# Altium PCB 2025-565-V1.PcbDoc (part 2 of 2)
Units mm, origin at the board's own origin, x right, y up, seen from the top; angles counter-clockwise.
Board outline 100 x 80 mm, 2 copper layers (Top Layer, Bottom Layer); 155 components, 101 nets, 492 pads, 335 vias.
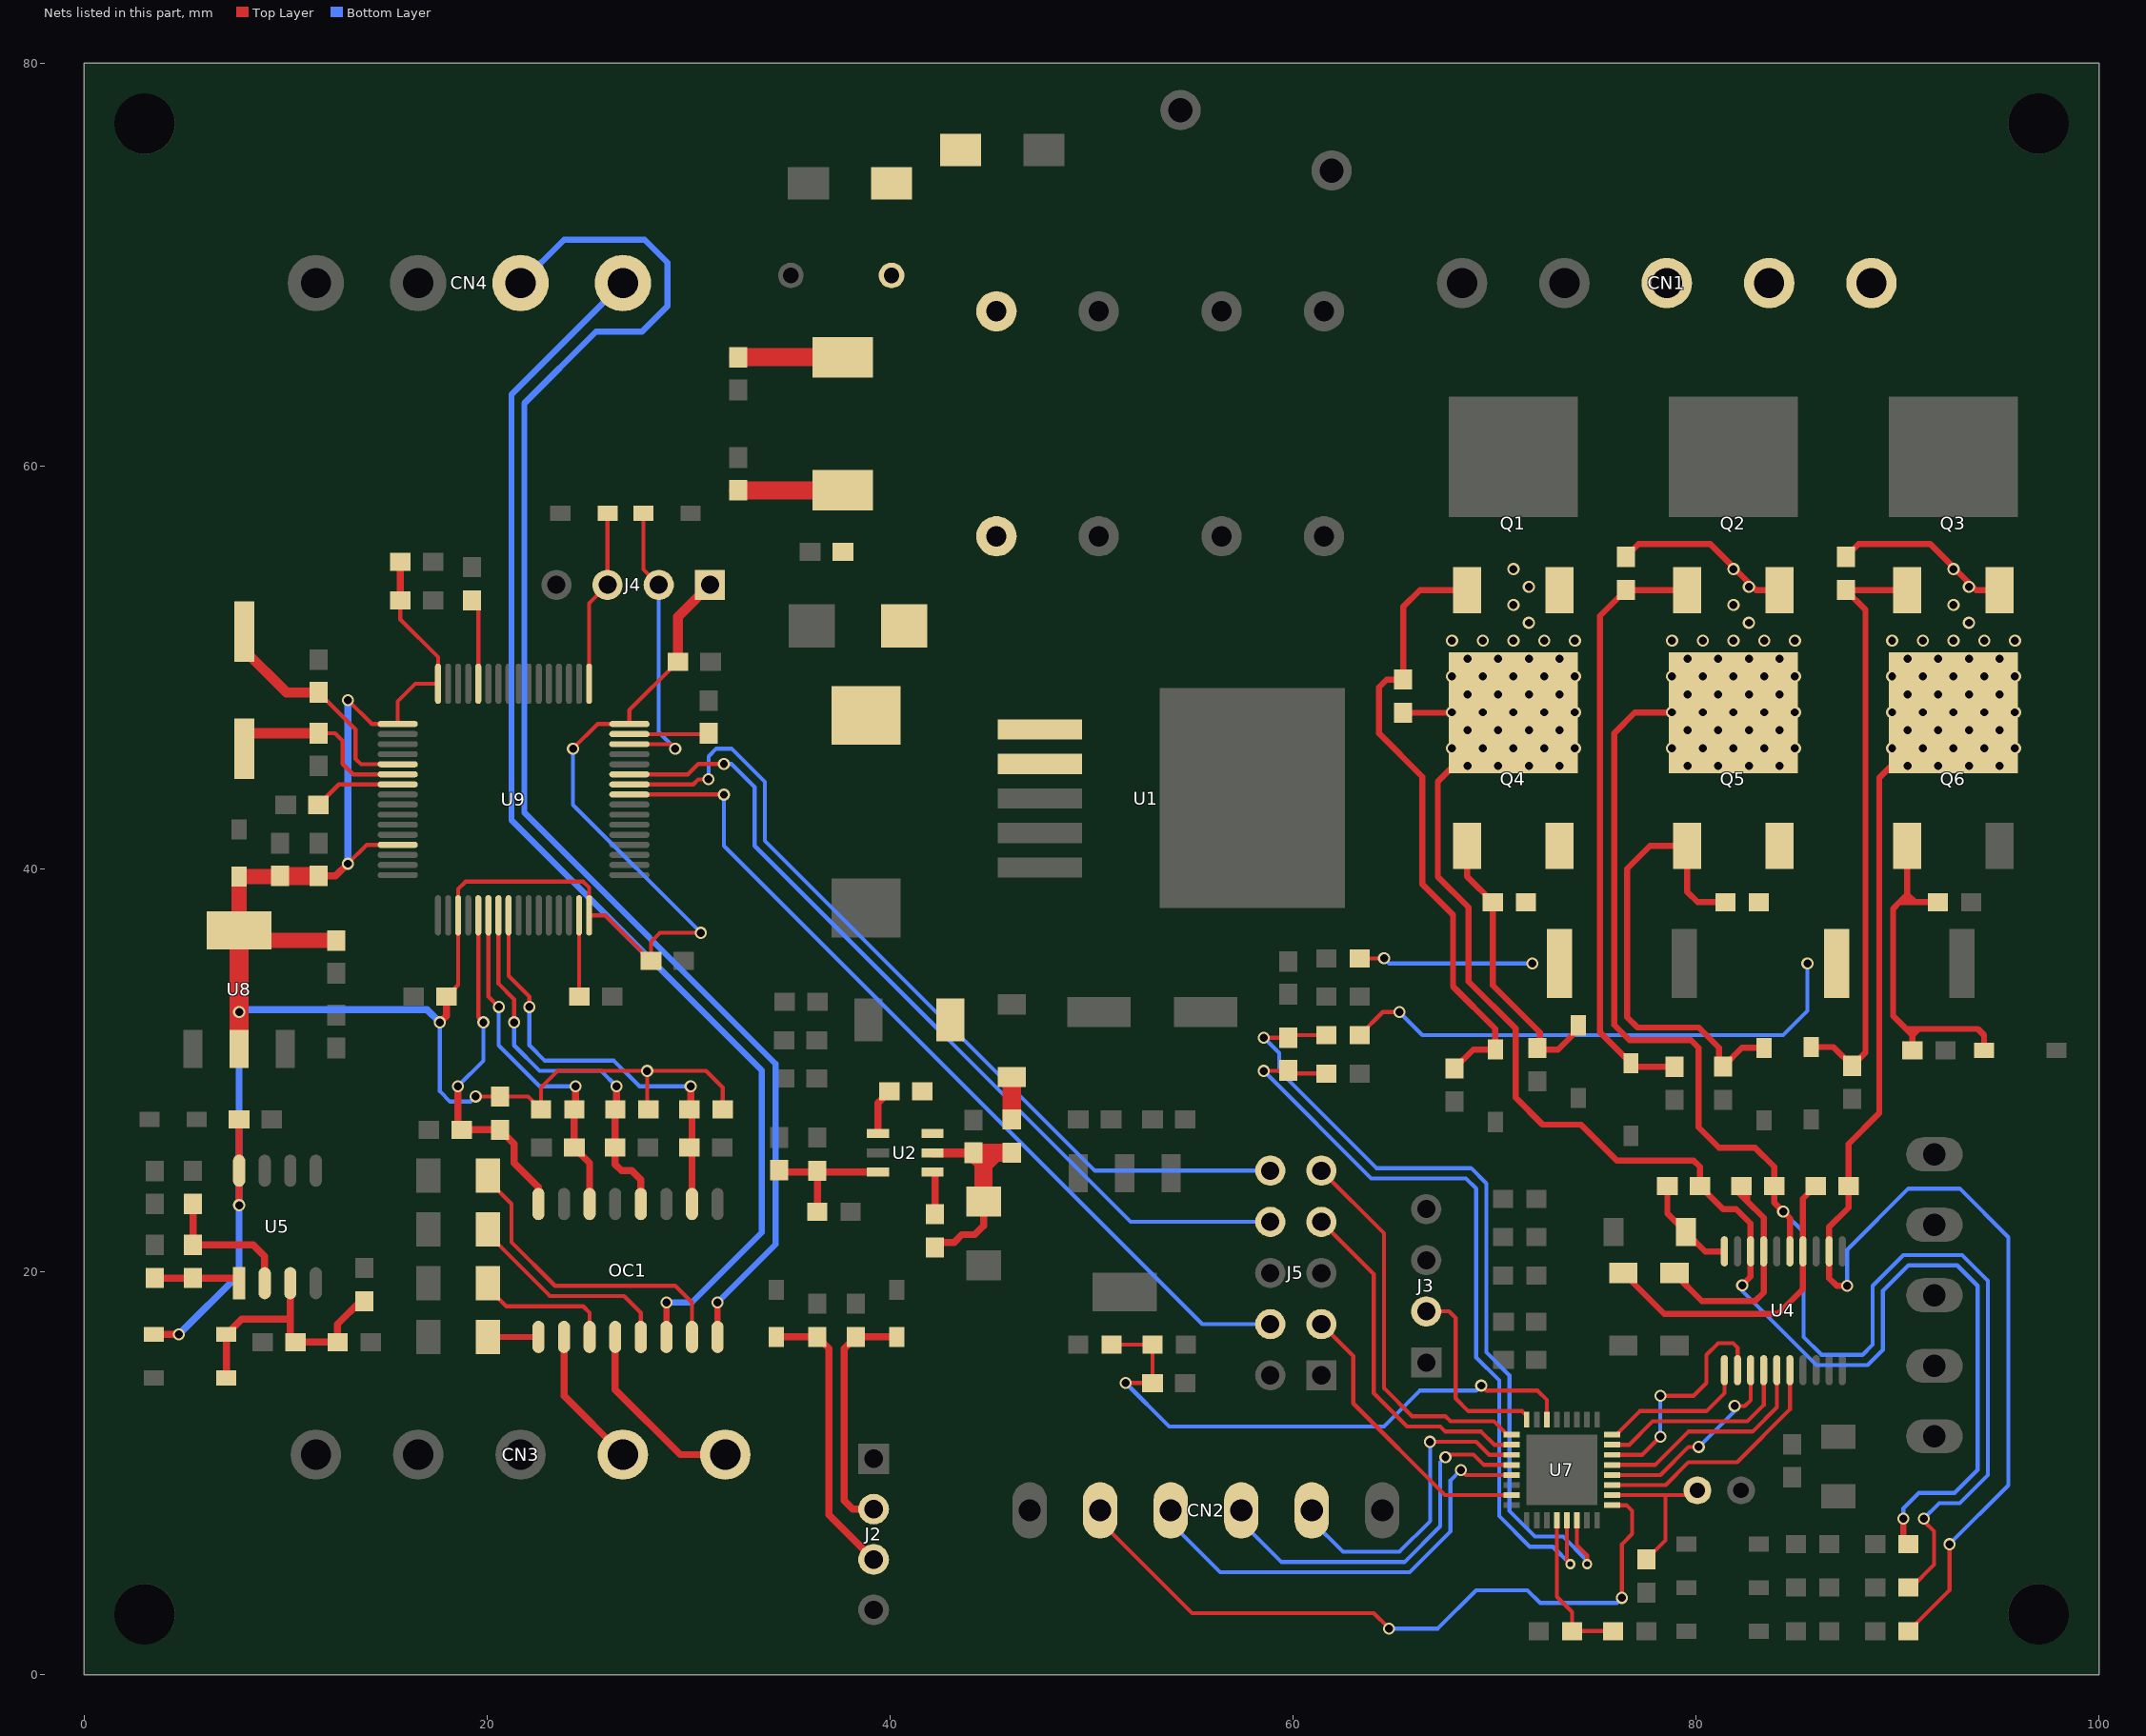
[diagram p2: the nets of this part, all layers, seen from the top]

## Via types
v1: diameter 0.6, hole 0.4, Top Layer to Bottom Layer, 170 vias
v2: diameter 0.6, hole 0.4, Top Layer to Bottom Layer, tented both sides, 146 vias
v3: diameter 0.8, hole 0.5, Top Layer to Bottom Layer, tented both sides, 9 vias
v4: diameter 0.5, hole 0.3, Top Layer to Bottom Layer, tented both sides, 7 vias
v5: diameter 1, hole 0.6, Top Layer to Bottom Layer, tented both sides, 3 vias

## Nets (pads, with @x,y where several pads share a name; then routed paths per layer and width w, separated by ;. In a path a pad name is that pad's centre, name@x,y a point inside that pad or via, vN(x,y) a via of type N, cw(c..) or ccw(c..) an arc to the next point about the centre after c; other vN are vias at no path point) (continued)
IR-VN: C29.1 R36.2 U7.21 | length 39.6
  Top Layer w0.2: v2(58.547,29.972) 59.73,29.972 C29.1@59.756,29.998 59.909,29.845 R36.2@61.662,29.845 ; U7.21@73.595,7.66 73.595,5.653 v4(73.762,5.486)
  Bottom Layer w0.2: v2(58.547,29.972) 63.881,24.638 68.58,24.638 69.088,24.13 69.088,15.748 70.231,14.605 70.231,7.874 71.755,6.35 72.898,6.35 v4(73.762,5.486)
IR-VP: C29.2 R31.2 U7.22 | length 41.9
  Top Layer w0.2: v2(58.547,31.623) C29.2@59.756,31.623 59.883,31.75 R31.2@61.662,31.75 ; U7.22@74.095,7.66 74.095,6.423 74.6,5.918 v4(74.6,5.486)
  Bottom Layer w0.2: v2(58.547,31.623) 59.309,30.861 59.309,29.972 64.135,25.146 68.834,25.146 69.596,24.384 69.596,16.002 70.739,14.859 70.739,8.128 72.009,6.858 73.406,6.858 74.6,5.664 v4(74.6,5.486)
M-TEMP: R3.1 RT2.1 U7.26 | length 7.9
  Top Layer w0.2: U7.26@75.845,8.91 78.486,8.91 ; R3.1@77.536,5.714 78.486,6.664 78.486,8.91 ; RT2.1@80.076,9.144 79.842,8.91 78.486,8.91
MCU3.3V: C27.1 C40.2 C41.2 C42.2 C44.2 C48.1 C49.1 C51.2 C52.1 D17.2 D27.2 J4.1 R48.2 R50.2 R53.2 R55.2 U5.8 U8.2 U8.4 U9.1 U9.13 U9.19 U9.32 U9.48 U9.64 | length 145.8
  Top Layer w0.2: v2(13.081,40.259) 14.018,41.196 U9.13@15.56,41.196 ; v2(13.081,48.387) 14.272,47.196 U9.1@15.56,47.196 15.56,48.326 16.43,49.196 U9.64@17.56,49.196 17.56,50.512 15.687,52.385 C42.2@15.687,53.34 ; C52.1@17.973,33.655 18.56,34.242 U9.19@18.56,37.696 18.56,39.007 18.923,39.37 24.765,39.37 25.06,39.075 U9.32@25.06,37.696 25.87,37.696 C51.2@28.133,35.433 28.133,36.388 28.575,36.83 v2(30.607,36.83) ; v2(19.431,28.702) R48.2@20.64,28.701 ; v2(24.257,45.974) 25.479,47.196 U9.48@27.06,47.196 27.06,47.888 C44.2@29.433,50.261 ; R53.2@28.005,28.067 27.94,28.132 v2(27.94,29.972) ; R55.2@31.688,28.067 31.688,29.145 30.861,29.972 v2(27.94,29.972) ; R48.2@20.64,28.701 R48.2@20.64,28.701 ; R48.2@20.64,28.701 22.039,28.701 R50.2@22.673,28.067 22.673,29.15 23.495,29.972 v2(27.94,29.972)
  Top Layer w0.35: D17.2@3.451,16.891 v2(4.699,16.891) ; v2(7.686,23.307) U5.8@7.686,25.019 C27.1@7.686,27.559 ; C48.1@11.623,39.65 12.472,39.65 v2(13.081,40.259) ; C42.2@15.687,53.34 C41.2@15.687,55.245 ; v2(17.653,32.385) 17.973,32.705 C52.1@17.973,33.655
  Top Layer w0.5: C44.2@29.464,50.292 29.464,52.512 J4.1@31.054,54.102
  Top Layer w0.75: C49.1@9.718,39.65 9.692,39.624 D27.2@7.686,39.624 U8.4@7.686,36.957 8.194,36.449 C40.2@12.512,36.449
  Top Layer w0.9: C49.1@9.718,39.65 C48.1@11.623,39.65
  Top Layer w0.95: U8.2@7.686,31.057 v2(7.686,32.893) U8.4@7.686,36.957
  Bottom Layer w0.2: v2(17.653,32.385) 17.653,28.956 18.161,28.448 19.177,28.448 v2(19.431,28.702) ; v2(24.257,45.974) 24.257,43.18 v2(30.607,36.83)
  Bottom Layer w0.35: v2(4.699,16.891) 7.686,19.878 v2(7.686,23.307) v2(7.686,32.893) 7.813,33.02 17.018,33.02 v2(17.653,32.385) ; v2(13.081,40.259) v2(13.081,48.387)
MO_U: C22.1 CN1.3 Q1.3 Q4.2 R15.2 R21.2 U4.18 | length 78.8
  Top Layer w0.3: R15.2@65.471,47.753 Q4.2@70.613,47.753 ; Q4.2@70.932,47.76 70.925,47.753 Q4.2@70.613,47.753 ; v2(82.296,19.329) 82.713,19.746 U4.18@82.713,21.013 82.713,22.392 81.991,23.114 81.346,23.114 C22.1@80.203,24.257 80.203,25.207 79.883,25.527 76.073,25.527 74.295,27.305 72.39,27.305 71.044,28.651 71.044,32.08 68.707,34.417 68.707,38.1 67.183,39.624 67.183,44.323 Q4.2@70.613,47.753 ; v2(90.297,7.747) 90.297,6.73 R21.2@90.55,6.477
  Bottom Layer w0.2: v2(82.296,19.329) 82.296,19.05 85.979,15.367 88.519,15.367 89.281,16.129 89.281,19.05 90.551,20.32 92.964,20.32 93.98,19.304 93.98,10.16 92.837,9.017 91.059,9.017 90.297,8.255 v2(90.297,7.747)
  other v1: 68.656,45.11 70.18,45.11 71.704,45.11 73.228,45.11 67.894,45.999 69.418,45.999 70.942,45.999 72.466,45.999 73.99,45.999 68.656,46.888 70.18,46.888 71.704,46.888 73.228,46.888 67.894,47.777 69.418,47.777 70.942,47.777 72.466,47.777 73.99,47.777 68.656,48.666 70.18,48.666 71.704,48.666 73.228,48.666 67.894,49.555 69.418,49.555 70.942,49.555 72.466,49.555 73.99,49.555 68.656,50.444 70.18,50.444 71.704,50.444 73.228,50.444 67.894,51.333 69.418,51.333 70.942,51.333 72.466,51.333 73.99,51.333 71.704,52.222 70.942,53.111 71.704,54 70.942,54.889
MO_V: C23.1 CN1.2 Q2.3 Q5.2 R16.2 R22.2 U4.15 | length 85.7
  Top Layer w0.2: R22.2@90.55,4.318 90.678,4.318 91.821,5.461 91.821,7.112 91.313,7.62 v2(91.313,7.747)
  Top Layer w0.3: R16.2@76.52,55.498 77.156,56.134 80.711,56.134 82.997,53.848 Q2.3@84.14,53.848 ; Q5.2@81.854,47.76 76.97,47.76 75.946,46.736 75.946,32.258 76.708,31.496 79.756,31.496 80.137,31.115 80.137,27.178 81.153,26.162 82.931,26.162 83.885,25.208 C23.1@83.885,24.257 83.885,23.43 v2(84.328,22.987) 84.663,22.652 U4.15@84.663,21.013
  Bottom Layer w0.2: v2(84.328,22.987) 85.344,21.971 85.344,16.764 86.233,15.875 88.265,15.875 88.773,16.383 88.773,19.304 90.297,20.828 93.218,20.828 94.488,19.558 94.488,9.906 93.091,8.509 92.075,8.509 v2(91.313,7.747)
  other v1: 79.578,45.11 81.102,45.11 82.626,45.11 84.15,45.11 78.816,45.999 80.34,45.999 81.864,45.999 83.388,45.999 84.912,45.999 79.578,46.888 81.102,46.888 82.626,46.888 84.15,46.888 78.816,47.777 80.34,47.777 81.864,47.777 83.388,47.777 84.912,47.777 79.578,48.666 81.102,48.666 82.626,48.666 84.15,48.666 78.816,49.555 80.34,49.555 81.864,49.555 83.388,49.555 84.912,49.555 79.578,50.444 81.102,50.444 82.626,50.444 84.15,50.444 78.816,51.333 80.34,51.333 81.864,51.333 83.388,51.333 84.912,51.333 82.626,52.222 81.864,53.111 82.626,54 81.864,54.889
MO_W: C24.1 CN1.1 Q3.3 Q6.2 R17.2 R23.2 U4.12 | length 74.4
  Top Layer w0.2: R23.2@90.55,2.159 92.583,4.192 v2(92.583,6.477)
  Top Layer w0.3: R17.2@87.442,55.498 88.078,56.134 91.633,56.134 93.919,53.848 Q3.3@95.062,53.848 ; v2(87.503,19.304) 86.995,19.304 86.613,19.686 U4.12@86.613,21.013 86.613,22.224 87.569,23.18 C24.1@87.569,24.257 87.569,26.355 89.103,27.889 89.103,44.526 92.337,47.76 Q6.2@92.776,47.76
  Bottom Layer w0.2: v2(87.503,19.304) 87.503,21.082 90.551,24.13 93.091,24.13 95.504,21.717 95.504,9.398 v2(92.583,6.477)
  other v1: 90.5,45.11 92.024,45.11 93.548,45.11 95.072,45.11 89.738,45.999 91.262,45.999 92.786,45.999 94.31,45.999 95.834,45.999 90.5,46.888 92.024,46.888 93.548,46.888 95.072,46.888 89.738,47.777 91.262,47.777 92.786,47.777 94.31,47.777 95.834,47.777 90.5,48.666 92.024,48.666 93.548,48.666 95.072,48.666 89.738,49.555 91.262,49.555 92.786,49.555 94.31,49.555 95.834,49.555 90.5,50.444 92.024,50.444 93.548,50.444 95.072,50.444 89.738,51.333 91.262,51.333 92.786,51.333 94.31,51.333 95.834,51.333 93.548,52.222 92.786,53.111 93.548,54 92.786,54.889
NetC1_1: C1.1 U2.1 | length 2.3
  Top Layer w0.35: U2.1@39.403,26.858 39.403,28.389 C1.1@39.97,28.956
NetC1_2: C1.2 L2.1 U2.6
NetC6_1: C6.1 R5.1 R8.2 U2.3 | length 6.9
  Top Layer w0.35: C6.1@34.483,25.045 34.57,24.958 R5.1@36.388,24.958 ; R8.2@36.388,22.987 R5.1@36.388,24.958 ; U2.3@39.403,24.958 R5.1@36.388,24.958
NetC17_1: C17.1 C18.2 LR1.1 R4.1 U2.5 | length 11.4
  Top Layer w0.35: R4.1@42.23,21.209 42.484,21.463 43.18,21.463 43.561,21.844 44.196,21.844 44.643,22.291 C17.1@44.643,23.495
  Top Layer w0.45: U2.5@42.103,25.908 C18.2@44.135,25.908
  Top Layer w0.9: C17.1@44.643,23.495 44.643,25.4 ; LR1.1@46.04,25.909 46.039,25.908 45.212,25.908 ; 44.643,25.4 44.704,25.4 45.212,25.908 ; 44.643,25.4 C18.2@44.135,25.908 45.212,25.908
NetC31_2: C31.2 D17.1 D20.2 R34.2 R39.2 U5.3 | length 13.5
  Top Layer w0.35: D20.2@7.051,14.732 D17.1@7.051,16.891 7.813,17.653 10.226,17.653 ; U5.3@10.226,19.431 10.226,17.653 ; R39.2@13.909,18.542 13.716,18.542 12.574,17.4 R34.2@12.574,16.51 C31.2@10.48,16.51 10.226,16.764 10.226,17.653
NetC46_2: C46.2 U9.47 | length 3.9
  Top Layer w0.2: U9.47@27.06,46.696 30.887,46.696 C46.2@30.927,46.736
NetC47_2: C47.2 U9.7 | length 4.4
  Top Layer w0.2: C47.2@11.623,43.18 12.639,44.196 U9.7@15.56,44.196
NetC50_2: C50.2 U9.31 | length 4
  Top Layer w0.2: U9.31@24.56,37.696 24.56,33.672 C50.2@24.577,33.655
NetD1_2: D1.2 LR1.2 | length 2.1
  Top Layer w0.9: LR1.2@46.04,27.559 D1.2@46.04,29.674
NetD3_2: D3.2 L3.1 U1.2
NetD6_1: D6.1 Q1.1 R11.2 R15.1 | length 31.3
  Top Layer w0.3: R11.2@68.011,30.099 68.945,31.033 D6.1@70.043,31.033 70.043,32.065 67.945,34.163 67.945,37.719 66.421,39.243 66.421,44.577 64.262,46.736 64.262,49.022 64.643,49.403 R15.1@65.471,49.403 65.471,53.025 66.294,53.848 Q1.1@68.646,53.848
NetD7_1: D7.1 Q2.1 R12.2 R16.1 | length 29.9
  Top Layer w0.3: R12.2@78.933,30.18 76.946,30.18 D7.1@76.774,30.352 75.235,31.891 75.235,52.563 R16.1@76.52,53.848 Q2.1@79.568,53.848
NetD8_1: D8.1 Q3.1 R13.2 R17.1 | length 29.8
  Top Layer w0.3: D8.1@85.725,31.159 86.823,31.159 R13.2@87.757,30.225 88.417,30.885 88.417,52.873 R17.1@87.442,53.848 Q3.1@90.49,53.848
NetD14_1: D14.1 Q4.1 R18.2 R24.1 | length 14.5
  Top Layer w0.3: Q4.1@68.646,41.148 68.646,39.624 R24.1@69.916,38.354 69.916,34.224 72.263,31.877 72.263,30.78 72.516,31.033 73.153,31.033 D14.1@74.295,32.175
NetD15_1: D15.1 Q5.1 R19.2 R26.1 | length 23.5
  Top Layer w0.3: R26.1@81.092,38.354 80.076,38.354 79.568,38.862 Q5.1@79.568,41.148 77.724,41.148 76.581,40.005 76.581,32.639 77.089,32.131 80.137,32.131 81.153,31.115 81.153,30.374 R19.2@81.346,30.181 82.28,31.115 D15.1@83.378,31.115
NetD16_1: D16.1 Q6.1 R20.2 R28.1 | length 18.9
  Top Layer w0.3: Q6.1@90.49,41.148 90.49,38.735 ; R20.2@90.744,30.988 90.744,31.75 ; R28.1@92.014,38.354 90.871,38.354 ; D16.1@94.3,30.988 94.3,31.75 93.995,32.055 91.049,32.055 ; 90.109,38.354 90.49,38.735 ; 90.109,38.354 90.424,38.354 ; 90.109,38.354 89.789,38.034 89.789,32.705 90.439,32.055 ; 90.424,38.354 90.49,38.42 90.49,38.735 ; 90.424,38.354 90.871,38.354 ; 90.439,32.055 90.744,31.75 ; 90.439,32.055 91.049,32.055 ; 90.49,38.735 90.871,38.354 ; 90.744,31.75 91.049,32.055
NetD19_2: D19.2 J2.2 R41.2 | length 12
  Top Layer w0.35: J2.2@39.182,8.215 38.14,8.215 37.719,8.636 37.719,16.19 R41.2@38.293,16.764 D19.2@40.325,16.764
NetD23_2: D23.2 J2.3 R45.2 | length 14.2
  Top Layer w0.35: D23.2@34.356,16.765 R45.2@36.388,16.765 36.957,16.196 36.957,7.94 J2.3@39.182,5.715
NetOC1_1: OC1.1 R49.2 | length 2.5
  Top Layer w0.3: R49.2@20.042,16.764 OC1.1@22.545,16.764
NetOC1_3: OC1.3 R51.2 | length 7
  Top Layer w0.2: R51.2@20.042,19.431 20.042,19.201 20.955,18.288 24.765,18.288 25.085,17.968 OC1.3@25.085,16.764
NetOC1_5: OC1.5 R52.2 | length 10.6
  Top Layer w0.2: R52.2@20.042,22.098 20.042,21.868 23.114,18.796 26.797,18.796 27.625,17.968 OC1.5@27.625,16.764
NetOC1_7: OC1.7 R54.2 | length 15.7
  Top Layer w0.2: R54.2@20.042,24.765 20.042,24.535 21.209,23.368 21.209,21.463 23.368,19.304 29.337,19.304 30.165,18.476 OC1.7@30.165,16.764
NetQ4_3: Q4.3 R24.2 R30.1 R32.2 | length 8.7
  Top Layer w0.2: R30.1@63.312,35.56 v2(64.516,35.56)
  Bottom Layer w0.2: v2(64.516,35.56) 64.77,35.306 v2(71.882,35.306)
NetQ5_3: Q5.3 R26.2 R31.1 R33.2 | length 26
  Top Layer w0.2: R31.1@63.312,31.75 64.455,32.893 v2(65.278,32.893)
  Bottom Layer w0.2: v2(65.278,32.893) 66.421,31.75 84.328,31.75 85.532,32.954 v2(85.532,35.306)
NetR4_2: R4.2 U2.4 | length 2.2
  Top Layer w0.35: U2.4@42.103,24.958 42.23,24.831 R4.2@42.23,22.859
NetR37_2: R37.2 R40.1 U5.1 | length 4.3
  Top Layer w0.35: R37.2@3.495,19.685 R40.1@5.4,19.685 7.432,19.685 U5.1@7.686,19.431
NetR40_2: R40.2 R43.2 U5.2 | length 7.2
  Top Layer w0.35: R43.2@5.4,23.368 R40.2@5.4,21.335 8.383,21.335 8.956,20.762 U5.2@8.956,19.431
NetR56_1: R56.1 U9.60 | length 4.3
  Top Layer w0.2: R56.1@19.243,53.34 19.56,53.023 U9.60@19.56,49.196
OSC1: C43.1 U9.5 Y1.2 | length 11.7
  Top Layer w0.2: C43.1@11.623,48.768 13.462,46.929 13.462,45.466 13.732,45.196 U9.5@15.56,45.196
  Top Layer w0.5: Y1.2@7.94,51.774 7.94,50.861 10.033,48.768 C43.1@11.623,48.768
OSC2: C45.1 U9.6 Y1.1 | length 9.9
  Top Layer w0.2: C45.1@11.623,46.736 12.446,46.736 12.827,46.355 12.827,45.212 13.343,44.696 U9.6@15.56,44.696
  Top Layer w0.5: Y1.1@7.94,45.974 7.94,46.736 C45.1@11.623,46.736
PWM_UH: U4.1 U7.32 | length 7.6
  Top Layer w0.2: U7.32@75.845,11.91 76.045,11.91 77.216,13.081 80.518,13.081 81.413,13.976 U4.1@81.413,15.113
PWM_UL: U4.4 U7.31 | length 10.1
  Top Layer w0.2: U7.31@75.845,11.41 76.688,11.41 77.851,12.573 82.55,12.573 83.363,13.386 U4.4@83.363,15.113
PWM_VH: U4.2 U7.30 | length 11.8
  Top Layer w0.2: U7.30@75.845,10.91 77.331,10.91 v2(78.232,11.811) ; v2(78.232,13.843) 79.883,13.843 80.518,14.478 80.518,15.875 81.102,16.459 81.839,16.459 82.063,16.235 U4.2@82.063,15.113 U4.2@82.042,15.092
  Bottom Layer w0.2: v2(78.232,11.811) v2(78.232,13.843)
PWM_VL: U4.5 U7.29 | length 11.2
  Top Layer w0.2: U7.29@75.845,10.41 77.974,10.41 79.629,12.065 82.804,12.065 84.013,13.274 U4.5@84.013,15.113
PWM_WH: U4.3 U7.28 | length 10
  Top Layer w0.2: U7.28@75.845,9.91 78.236,9.91 79.629,11.303 v2(80.137,11.303) ; v2(81.915,13.335) 82.423,13.335 82.713,13.625 U4.3@82.713,15.113
  Bottom Layer w0.2: v2(80.137,11.303) 81.915,13.081 v2(81.915,13.335)
PWM_WL: U4.6 U7.27 | length 12.3
  Top Layer w0.2: U7.27@75.845,9.41 78.498,9.41 79.629,10.541 82.042,10.541 84.663,13.162 U4.6@84.663,15.113
RX: J5.8 U9.43 | length 43.1
  Top Layer w0.2: U9.43@27.06,44.696 29.964,44.696 30.48,45.212 v2(31.75,45.212)
  Bottom Layer w0.2: v2(31.75,45.212) 32.131,45.212 33.274,44.069 33.274,41.148 51.943,22.479 J5.8@58.867,22.479
SPD: J5.4 U9.41 | length 44.2
  Top Layer w0.2: U9.41@27.06,43.696 31.742,43.696 v2(31.75,43.688)
  Bottom Layer w0.2: v2(31.75,43.688) 31.75,41.148 55.499,17.399 J5.4@58.867,17.399
SPEED-IN: J5.3 U7.15 | length 14.3
  Top Layer w0.2: J5.3@61.407,17.399 62.992,15.814 62.992,13.462 67.544,8.91 U7.15@70.845,8.91
SPI-CLK: CN2.4 U7.13 | length 22.2
  Top Layer w0.2: v2(68.326,10.16) 68.576,9.91 U7.13@70.845,9.91
  Bottom Layer w0.2: CN2.4@53.929,8.153 53.929,7.539 56.388,5.08 65.786,5.08 67.818,7.112 67.818,9.652 v2(68.326,10.16)
SPI-CS: CN2.5 U7.25 | length 35.4
  Top Layer w0.2: CN2.5@50.429,8.153 50.429,7.61 54.991,3.048 64.008,3.048 v2(64.77,2.286) ; U7.25@75.845,8.41 76.553,8.41 76.835,8.128 76.835,6.985 76.327,6.477 v2(76.327,3.81)
  Bottom Layer w0.2: v2(64.77,2.286) 67.183,2.286 69.088,4.191 71.628,4.191 72.263,3.556 76.073,3.556 v2(76.327,3.81)
SPI-MISO: CN2.2 U7.11 | length 15.9
  Top Layer w0.2: v2(66.802,11.557) 69.088,11.557 69.735,10.91 U7.11@70.845,10.91
  Bottom Layer w0.2: CN2.2@60.929,8.153 60.929,7.651 62.484,6.096 65.278,6.096 66.802,7.62 v2(66.802,11.557)
SPI-MOSI: CN2.3 U7.12 | length 19.1
  Top Layer w0.2: v2(67.564,10.795) 67.691,10.922 68.961,10.922 69.473,10.41 U7.12@70.845,10.41
  Bottom Layer w0.2: CN2.3@57.429,8.153 57.429,7.595 59.436,5.588 65.532,5.588 67.31,7.366 67.31,10.541 v2(67.564,10.795)
SWCLK: D25.2 J4.3 U9.49 | length 8.8
  Top Layer w0.2: U9.49@25.06,49.196 25.06,53.188 J4.3@25.974,54.102 D25.2@25.974,57.658
SWD: J3.2 U7.8 | length 9.7
  Top Layer w0.2: J3.2@66.614,18.034 67.739,18.034 68.072,17.701 68.072,13.716 68.707,13.081 71.374,13.081 71.595,12.86 U7.8@71.595,12.66
SWDIO: D26.2 J4.2 U9.46 | length 14.7
  Top Layer w0.2: U9.46@27.06,46.196 29.115,46.196 v2(29.337,45.974) ; D26.2@27.752,57.658 27.752,54.864 J4.2@28.514,54.102
  Bottom Layer w0.2: J4.2@28.514,54.102 28.514,46.797 v2(29.337,45.974)
TEMP: R1.1 RT1.1 U7.20 | length 7.8
  Top Layer w0.2: U7.20@73.095,7.66 73.095,3.867 73.853,3.109 RT1.1@73.853,2.159 R1.1@75.886,2.159
TX: J5.10 U9.42 | length 43.6
  Top Layer w0.2: U9.42@27.06,44.196 30.226,44.196 30.48,44.45 v2(30.988,44.45)
  Bottom Layer w0.2: v2(30.988,44.45) 30.988,45.593 31.369,45.974 32.131,45.974 33.782,44.323 33.782,41.402 50.165,25.019 J5.10@58.867,25.019
UART-RX: J5.9 U7.9 | length 19.4
  Top Layer w0.2: J5.9@61.407,25.019 64.516,21.91 64.516,14.224 65.913,12.827 67.564,12.827 67.818,12.573 69.977,12.573 70.64,11.91 U7.9@70.845,11.91
UART-TX: J5.7 U7.10 | length 17.5
  Top Layer w0.2: J5.7@61.407,22.479 64.008,19.878 64.008,13.97 65.659,12.319 67.31,12.319 67.564,12.065 69.342,12.065 69.997,11.41 U7.10@70.845,11.41
V3.3AD: C19.2 R2.1 R6.1 U7.6 | length 29.2
  Top Layer w0.2: R2.1@50.992,16.383 R6.1@53.025,16.383 C19.2@53.025,14.478 v2(51.689,14.478) ; v2(69.342,14.351) 69.596,14.097 72.136,14.097 72.595,13.638 U7.6@72.595,12.66
  Bottom Layer w0.2: v2(51.689,14.478) 53.848,12.319 64.516,12.319 66.294,14.097 69.088,14.097 v2(69.342,14.351)
V-FILT: C2.1 C3.1 C12.2 C13.2 L1.2 U1.1 | length 5.2
  Top Layer w0.9: C13.2@32.451,58.801 37.656,58.801 L1.2@37.658,58.803
VB1: C22.2 D5.2 U4.20 | length 5
  Top Layer w0.3: C22.2@78.578,24.257 78.578,22.895 D5.2@79.502,21.971 80.46,21.013 U4.20@81.413,21.013
VB2: C23.2 D9.2 U4.17 | length 11.8
  Top Layer w0.3: D9.2@78.933,19.939 78.933,19.903 80.294,18.542 82.931,18.542 83.363,18.974 U4.17@83.363,21.013 83.363,22.682 82.55,23.495 ; C23.2@81.915,24.13 82.55,23.495 ; C23.2@82.26,24.257 82.55,23.967 82.55,23.495
VB3: C24.2 D13.2 U4.14 | length 15.6
  Top Layer w0.3: D13.2@76.393,19.939 78.425,17.907 84.074,17.907 85.313,19.146 U4.14@85.313,21.013 85.313,23.626 C24.2@85.944,24.257
VCC: C4.2 C11.2 D2.2 D4.2 L1.1 | length 5.2
  Top Layer w0.9: C11.2@32.451,65.405 37.656,65.405 L1.1@37.658,65.403
X0: CN3.4 OC1.2 | length 7.1
  Top Layer w0.35: OC1.2@23.815,16.764 23.815,13.843 CN3.4@26.736,10.922
X00: C35.1 OC1.16 R48.1 U9.21 | length 17.8
  Top Layer w0.2: U9.21@19.56,37.696 19.56,32.637 v2(19.812,32.385)
  Top Layer w0.35: v2(18.542,29.21) 18.542,27.366 18.796,27.112 C35.1@18.735,27.051 R48.1@20.64,27.051 21.336,26.355 21.336,25.4 22.545,24.191 OC1.16@22.545,23.364
  Bottom Layer w0.2: v2(18.542,29.21) 19.812,30.48 v2(19.812,32.385)
X01: C36.1 OC1.14 R50.1 U9.22 | length 17.5
  Top Layer w0.2: U9.22@20.06,37.696 20.06,33.661 v2(20.574,33.147)
  Top Layer w0.35: v2(24.384,29.21) 24.384,28.128 R50.1@24.323,28.067 C36.1@24.323,26.162 25.085,25.4 OC1.14@25.085,23.364
  Bottom Layer w0.2: v2(20.574,33.147) 20.574,31.242 22.606,29.21 v2(24.384,29.21)
X1: CN3.5 OC1.4 | length 9.4
  Top Layer w0.35: OC1.4@26.355,16.764 26.355,14.158 29.591,10.922 CN3.5@31.816,10.922
X02: C37.1 OC1.12 R53.1 U9.23 | length 19.4
  Top Layer w0.2: U9.23@20.56,37.696 20.56,34.304 21.336,33.528 v2(21.336,32.385)
  Top Layer w0.35: v2(26.416,29.21) 26.416,28.128 R53.1@26.355,28.067 C37.1@26.355,26.162 26.355,25.334 26.67,25.019 27.178,25.019 27.625,24.572 OC1.12@27.625,23.364
  Bottom Layer w0.2: v2(21.336,32.385) 21.336,31.242 22.606,29.972 25.654,29.972 v2(26.416,29.21)
X2: CN4.1 OC1.6 | length 62.5
  Top Layer w0.3: OC1.6@28.895,16.764 v2(28.895,18.476)
  Bottom Layer w0.3: CN4.1@26.736,69.088 21.209,63.561 21.209,42.418 33.63,29.997 33.63,21.946 30.16,18.476 v2(28.895,18.476)
X03: C38.1 OC1.10 R55.1 U9.24 | length 21.7
  Top Layer w0.2: U9.24@21.06,37.696 21.06,34.693 22.098,33.655 v2(22.098,33.147)
  Top Layer w0.35: v2(30.099,29.21) 30.099,28.128 R55.1@30.038,28.067 30.165,27.94 OC1.10@30.165,23.364
  Bottom Layer w0.2: v2(22.098,33.147) 22.098,31.242 22.86,30.48 26.289,30.48 27.559,29.21 v2(30.099,29.21)
X3: CN4.2 OC1.8 | length 72.7
  Top Layer w0.3: OC1.8@31.435,16.764 v2(31.435,18.476)
  Bottom Layer w0.3: CN4.2@21.656,69.088 23.815,71.247 27.813,71.247 28.956,70.104 28.956,67.945 27.686,66.675 25.4,66.675 21.844,63.119 21.844,42.799 34.315,30.328 34.315,21.356 v2(31.435,18.476)
pads on no net: U5.5 U5.6 U5.7 U9.2 U9.3 U9.4 U9.8 U9.9 U9.10 U9.11 U9.14 U9.15 U9.25 U9.26 U9.27 U9.28 U9.29 U9.30 U9.33 U9.34 U9.35 U9.36 U9.37 U9.38 U9.44 U9.45 U9.50 U9.53 U9.54 U9.55 U9.56 U9.57 U9.58 U9.59 U9.61 U9.62

## Polygon pours and split planes (outlines as drawn)
GND on Top Layer "Bottom Layer-No Net" (solid, remove dead copper, pour order 36): 0,0 100,0 100,71.247 70.797,71.247 70.797,78.798 69.596,80 0,80
NetC1_2 on Top Layer "Bottom Layer-No Net" (solid, remove dead copper, pour order 32): 42.164,26.67 42.672,26.67 42.672,28.702 43.942,29.972 43.942,33.782 43.815,33.909 42.164,33.909 42.037,33.782 42.037,30.607 41.021,29.591 41.021,28.321 41.529,27.813 41.529,26.67 42.164,26.67
DC+ on Top Layer "Bottom Layer-No Net" (solid, remove dead copper, pour order 0): 70.678,57.15 96.205,57.15 96.332,57.277 96.332,63.881 96.078,64.135 78.679,64.135 76.266,66.548 76.266,71.374 75.885,71.755 71.44,71.755 71.059,71.374 71.059,67.056 70.043,66.04 65.725,66.04 64.135,67.63 64.135,74.422 62.753,75.804 61.087,75.804 59.756,74.473 59.756,68.707 59.756,55.499 60.645,54.61 66.421,54.61 68.961,57.15
MO_U on Top Layer "Bottom Layer-No Net" (solid, remove dead copper, pour order 2): 71.059,44.577 74.361,44.577 74.488,44.704 74.488,55.118 74.107,55.499 70.551,55.499 70.17,55.118 70.17,52.324 69.789,51.943 67.757,51.943 67.376,51.562 67.376,44.704 67.503,44.577 71.059,44.577
MO_V on Top Layer "Bottom Layer-No Net" (solid, remove dead copper, pour order 4): 81.981,44.577 85.283,44.577 85.41,44.704 85.41,55.118 85.029,55.499 81.473,55.499 81.092,55.118 81.092,52.324 80.711,51.943 78.679,51.943 78.298,51.562 78.298,44.704 78.425,44.577 81.981,44.577
MO_W on Top Layer "Bottom Layer-No Net" (solid, remove dead copper, pour order 6): 92.903,44.577 96.205,44.577 96.332,44.704 96.332,55.118 95.951,55.499 92.395,55.499 92.014,55.118 92.014,52.324 91.633,51.943 89.601,51.943 89.22,51.562 89.22,44.704 89.347,44.577 92.903,44.577
NetQ4_3 on Top Layer "Bottom Layer-No Net" (solid, remove dead copper, pour order 14): 72.583,33.274 73.98,33.274 74.615,33.909 74.615,42.799 74.234,43.18 71.44,43.18 71.059,42.799 71.059,34.036 71.821,33.274
NetQ5_3 on Top Layer "Bottom Layer-No Net" (solid, remove dead copper, pour order 18): 85.598,33.274 87.757,33.274 87.884,33.401 87.884,42.291 86.995,43.18 82.997,43.18 82.616,42.799 82.616,37.846 84.074,37.846 85.09,36.83 85.09,33.782
MO_U on Top Layer "Bottom Layer-No Net" (solid, remove dead copper, pour order 20): 76.708,71.374 76.708,66.929 78.613,65.024 80.264,65.024 80.645,65.405 80.645,71.374 80.264,71.755 77.089,71.755 76.708,71.374
MO_V on Top Layer "Bottom Layer-No Net" (solid, remove dead copper, pour order 22): 81.153,71.374 81.153,65.405 81.534,65.024 85.471,65.024 85.852,65.405 85.852,71.374 85.471,71.755 81.534,71.755 81.153,71.374
MO_W on Top Layer "Bottom Layer-No Net" (solid, remove dead copper, pour order 24): 86.36,71.374 86.36,65.405 86.741,65.024 91.186,65.024 91.567,65.405 91.567,71.374 91.186,71.755 86.741,71.755 86.36,71.374
NetD3_2 on Top Layer "Bottom Layer-No Net" (solid, remove dead copper, pour order 26): 36.83,47.625 36.83,45.974 36.957,45.847 40.767,45.847 42.037,44.577 49.657,44.577 49.657,45.847 44.831,45.847 44.45,46.228 44.45,51.054 42.037,53.467 39.37,53.467 39.243,53.34 39.243,50.165 38.608,49.53 37.084,49.53 36.83,49.276 36.83,47.625
V-FILT on Top Layer "Bottom Layer-No Net" (solid, remove dead copper, pour order 28): 46.609,46.355 49.657,46.355 49.657,51.943 46.99,54.61 46.99,68.326 46.101,69.215 45.085,69.215 43.18,67.31 43.18,61.722 41.529,60.071 35.941,60.071 35.814,59.944 35.814,57.658 35.941,57.531 36.576,57.531 37.084,57.023 37.084,54.483 37.465,54.102 42.037,54.102 42.418,54.102 45.085,51.435 45.085,46.609 45.339,46.355
VCC on Top Layer "Bottom Layer-No Net" (solid, remove dead copper, pour order 30): 37.973,64.135 39.37,64.135 39.624,64.389 39.624,67.945 41.402,69.723 41.402,73.152 42.418,74.168 44.45,74.168 44.831,74.549 44.831,76.581 44.577,76.835 40.513,76.835 38.735,75.057 38.735,70.866 35.814,67.945 35.814,64.389 36.068,64.135
GND on Bottom Layer "Bottom Layer-No Net" (solid, remove dead copper, pour order 38): 0,0 100,0 100,43.815 67.437,43.815 66.929,44.323 66.929,57.277 76.073,66.421 76.073,73.523 69.596,80 0,80
MO_V on Bottom Layer "Bottom Layer-No Net" (solid, remove dead copper, pour order 8): 81.727,44.577 85.283,44.577 85.41,44.704 85.918,45.212 85.918,70.612 85.918,71.374 85.537,71.755 81.6,71.755 81.219,71.374 81.219,60.579 78.298,57.658 78.298,44.704 78.425,44.577
MO_U on Bottom Layer "Bottom Layer-No Net" (solid, remove dead copper, pour order 10): 71.059,44.577 74.361,44.577 74.488,44.704 74.488,54.61 80.711,60.833 80.711,71.374 80.33,71.755 76.774,71.755 76.393,71.374 76.393,66.04 67.376,57.023 67.376,44.704 67.503,44.577 71.059,44.577
MO_W on Bottom Layer "Bottom Layer-No Net" (solid, remove dead copper, pour order 12): 93.538,44.577 89.347,44.577 89.22,44.704 89.22,54.737 86.426,57.531 86.426,71.374 86.807,71.755 91.252,71.755 91.633,71.374 91.633,62.992 96.332,58.293 96.332,44.704 96.205,44.577 93.538,44.577

## Keep-outs
Top Layer:
  circle w0.2: c3,3 r3
  circle w0.2: c97,3 r3
  circle w0.2: c97,77 r3
  circle w0.2: c3,77 r3
Bottom Layer:
  circle w0.2: c3,3 r3
  circle w0.2: c97,3 r3
  circle w0.2: c97,77 r3
  circle w0.2: c3,77 r3
Keep-Out Layer:
  the board outline again, w0.2

## Other copper
Top Layer:
  pour cut-out: 62.422,28.956 64.262,28.956 65.405,30.099 65.405,32.385 65.151,32.639 64.389,32.639 62.422,30.672
  pour cut-out: 62.484,32.512 64.389,32.512 65.151,33.274 65.151,34.671 64.833,34.989 62.484,34.989
  pour cut-out: 55.245,54.61 54.483,55.372 54.483,74.676 54.102,74.676 54.102,55.118 56.261,52.959 65.151,52.959 65.151,54.61
  pour cut-out: 93.726,32.385 99.822,32.385 99.822,29.464 93.726,29.464
  pour cut-out: 89.521,44.069 99.822,44.069 99.822,44.704 96.52,44.704 96.266,44.45 89.521,44.45
  pour cut-out: 81.026,32.131 84.201,32.131 84.836,32.766 84.836,34.036 85.09,34.036 85.09,32.512 84.328,31.75 81.026,31.75
Bottom Layer:
  pour cut-out: 71.247,35.687 64.135,35.687 60.452,39.37 60.452,49.149 54.229,55.372 54.229,67.945 55.245,68.961 65.405,68.961 65.532,69.088 65.532,69.342 65.405,69.469 55.118,69.469 53.848,68.199 53.848,55.118 60.071,48.895 60.071,39.18 63.818,35.433 72.898,35.433 72.898,35.941 71.501,35.941
  pour cut-out: 99.822,30.48 99.822,30.988 91.313,30.988 90.043,32.258 90.043,34.671 89.535,34.671 89.535,32.512 91.567,30.48
  pour cut-out: 84.836,30.734 88.773,34.671 92.075,34.671 92.456,35.052 92.456,35.56 92.075,35.941 88.519,35.941 84.328,31.75 66.167,31.75 64.897,33.02 64.135,33.02 63.881,33.02 63.881,32.004 65.151,30.734
  pour cut-out: 65.684,33.02 66.573,32.131 66.929,32.131 66.929,34.036 72.517,34.036 73.152,34.671 78.486,34.671 78.74,34.925 78.74,35.687 78.486,35.941 72.39,35.941 71.501,35.052 64.897,35.052 63.881,34.036 63.881,33.274 63.881,33.02

## Silkscreen, mask and mechanical layers (free items; w line width, h text height)
Top Overlay:
  circle w0.2: c3,77 r3
  circle w0.2: c97,77 r3
  circle w0.2: c97,3 r3
  circle w0.2: c3,3 r3
  lines w0.254: 1.27,61.793 24.257,61.793 ; 1.27,58.801 1.27,64.643 24.257,64.643 24.257,58.801 1.27,58.801
  text "X2     X3    TX     RX" at 28.133,66.929 h2.5 r180
  text "W      V      U     DC+   GND" at 89.855,66.929 h2.5 r180
  text "2025-565-V1.0" at 3.429,62.484 h1.5
  text "2026-3-4" at 6.985,59.563 h1.5
  text "12V   GND  AD0   X0    X1" at 9.083,12.954 h2.5
  text "MOSI" at 53.787,11.557 h2
  text "A     B     C    3.3V   GND" at 89.982,11.43 h2 r90
  text "3.3V   CS   CLK" at 44.516,10.033 h2
  text "MISO" at 58.516,10.033 h2
  text "GND" at 63.439,10.033 h2
  text "HALL" at 94.046,7.366 h2.5
  text "Encoder" at 68.9,1.524 h2.5 r90
  text "GND  TX  RX  5V" at 36.261,0.889 h2 r90
Bottom Solder:
  region: 72.39,8.89 72.771,8.509 74.93,8.509 75.184,8.763 75.184,11.684 74.93,11.938 72.644,11.938 72.39,11.684
Mechanical 1:
  circle w0.2: c3,77 r1.5
  circle w0.2: c97,77 r1.5
  circle w0.2: c97,3 r1.5
  circle w0.2: c3,3 r1.5

## Dimensions
0,80 to 100,80 on Mechanical 1
0,80 to 0,0 on Mechanical 1

## Text inside footprints (layer, text, board x,y; h text height)
J5: Top Overlay "1" at 61.915,12.827 h1 r90; Top Overlay "9" at 61.915,26.543 h1 r90; Top Overlay "10" at 59.375,26.543 h1 r90